# Altium PCB OCB Development Board.PcbDoc (part 1 of 2)
Units mil, origin at the board's own origin, x right, y up, seen from the top; angles counter-clockwise.
Board outline 3775 x 3550 mil, 4 copper layers (Top Layer, GND, Power, Bottom Layer), stack 23.712 mil thick; 152 components, 139 nets, 797 pads, 557 vias.
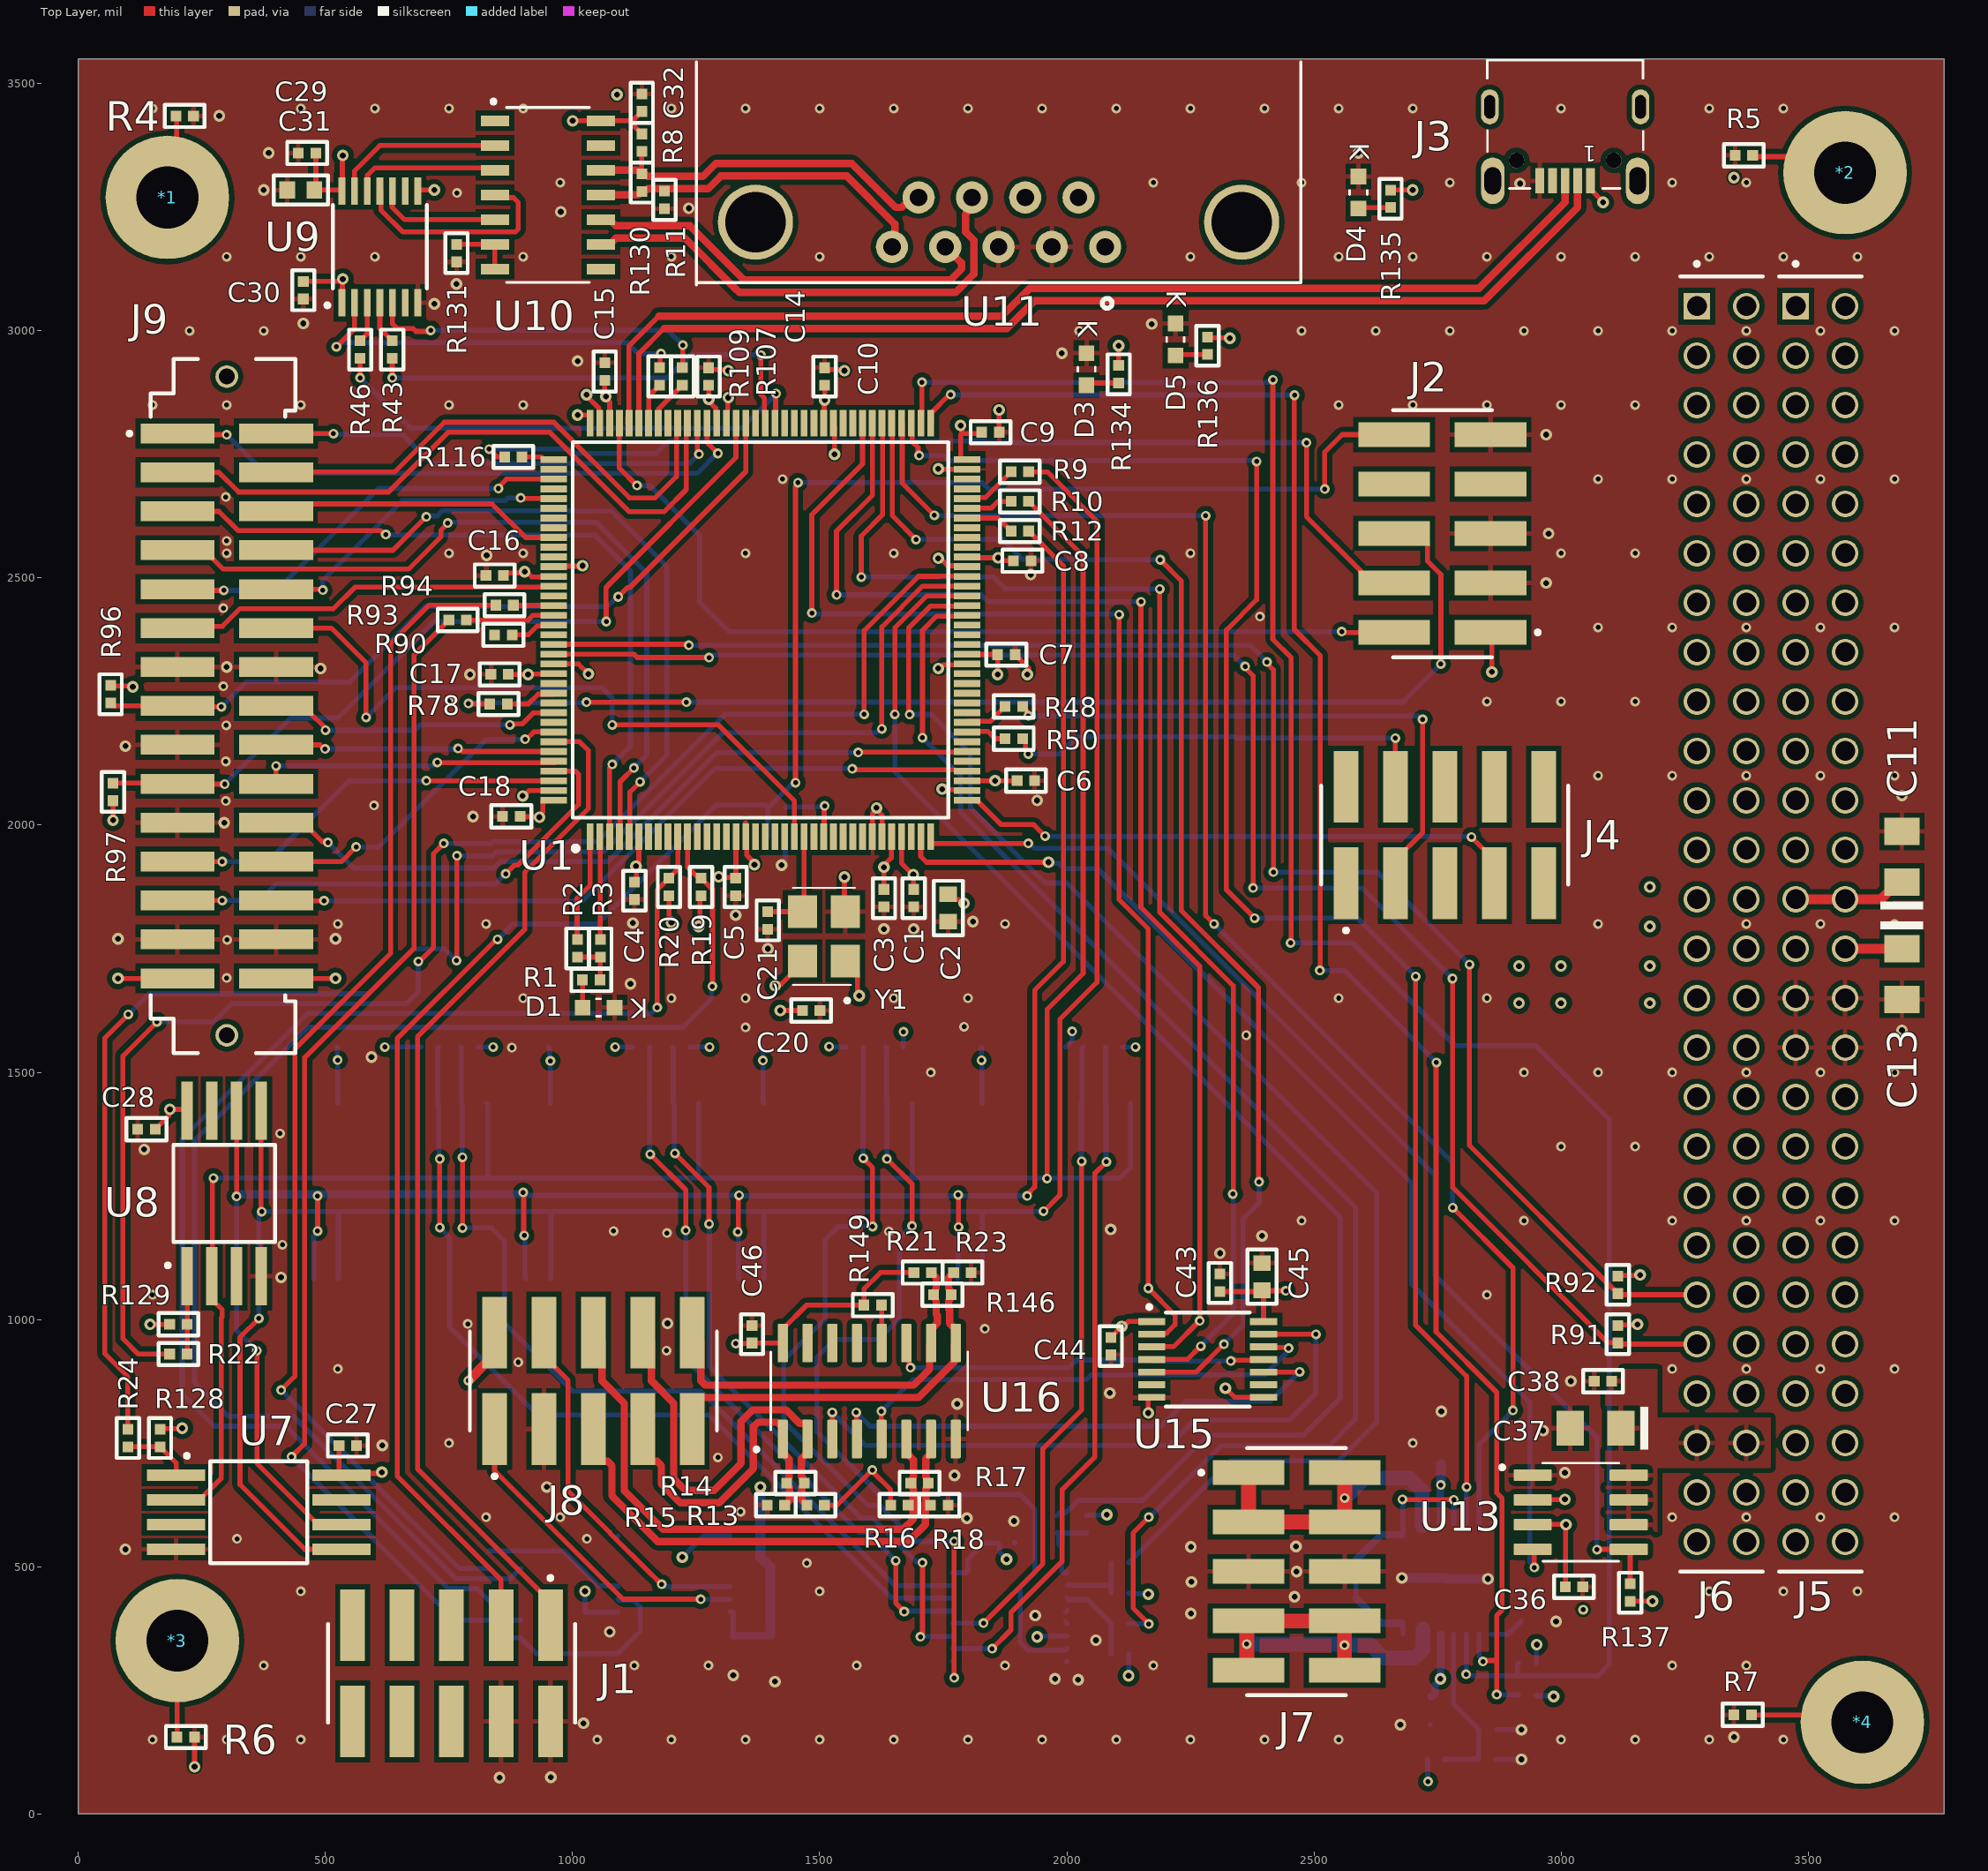
[diagram p0: Top Layer view]
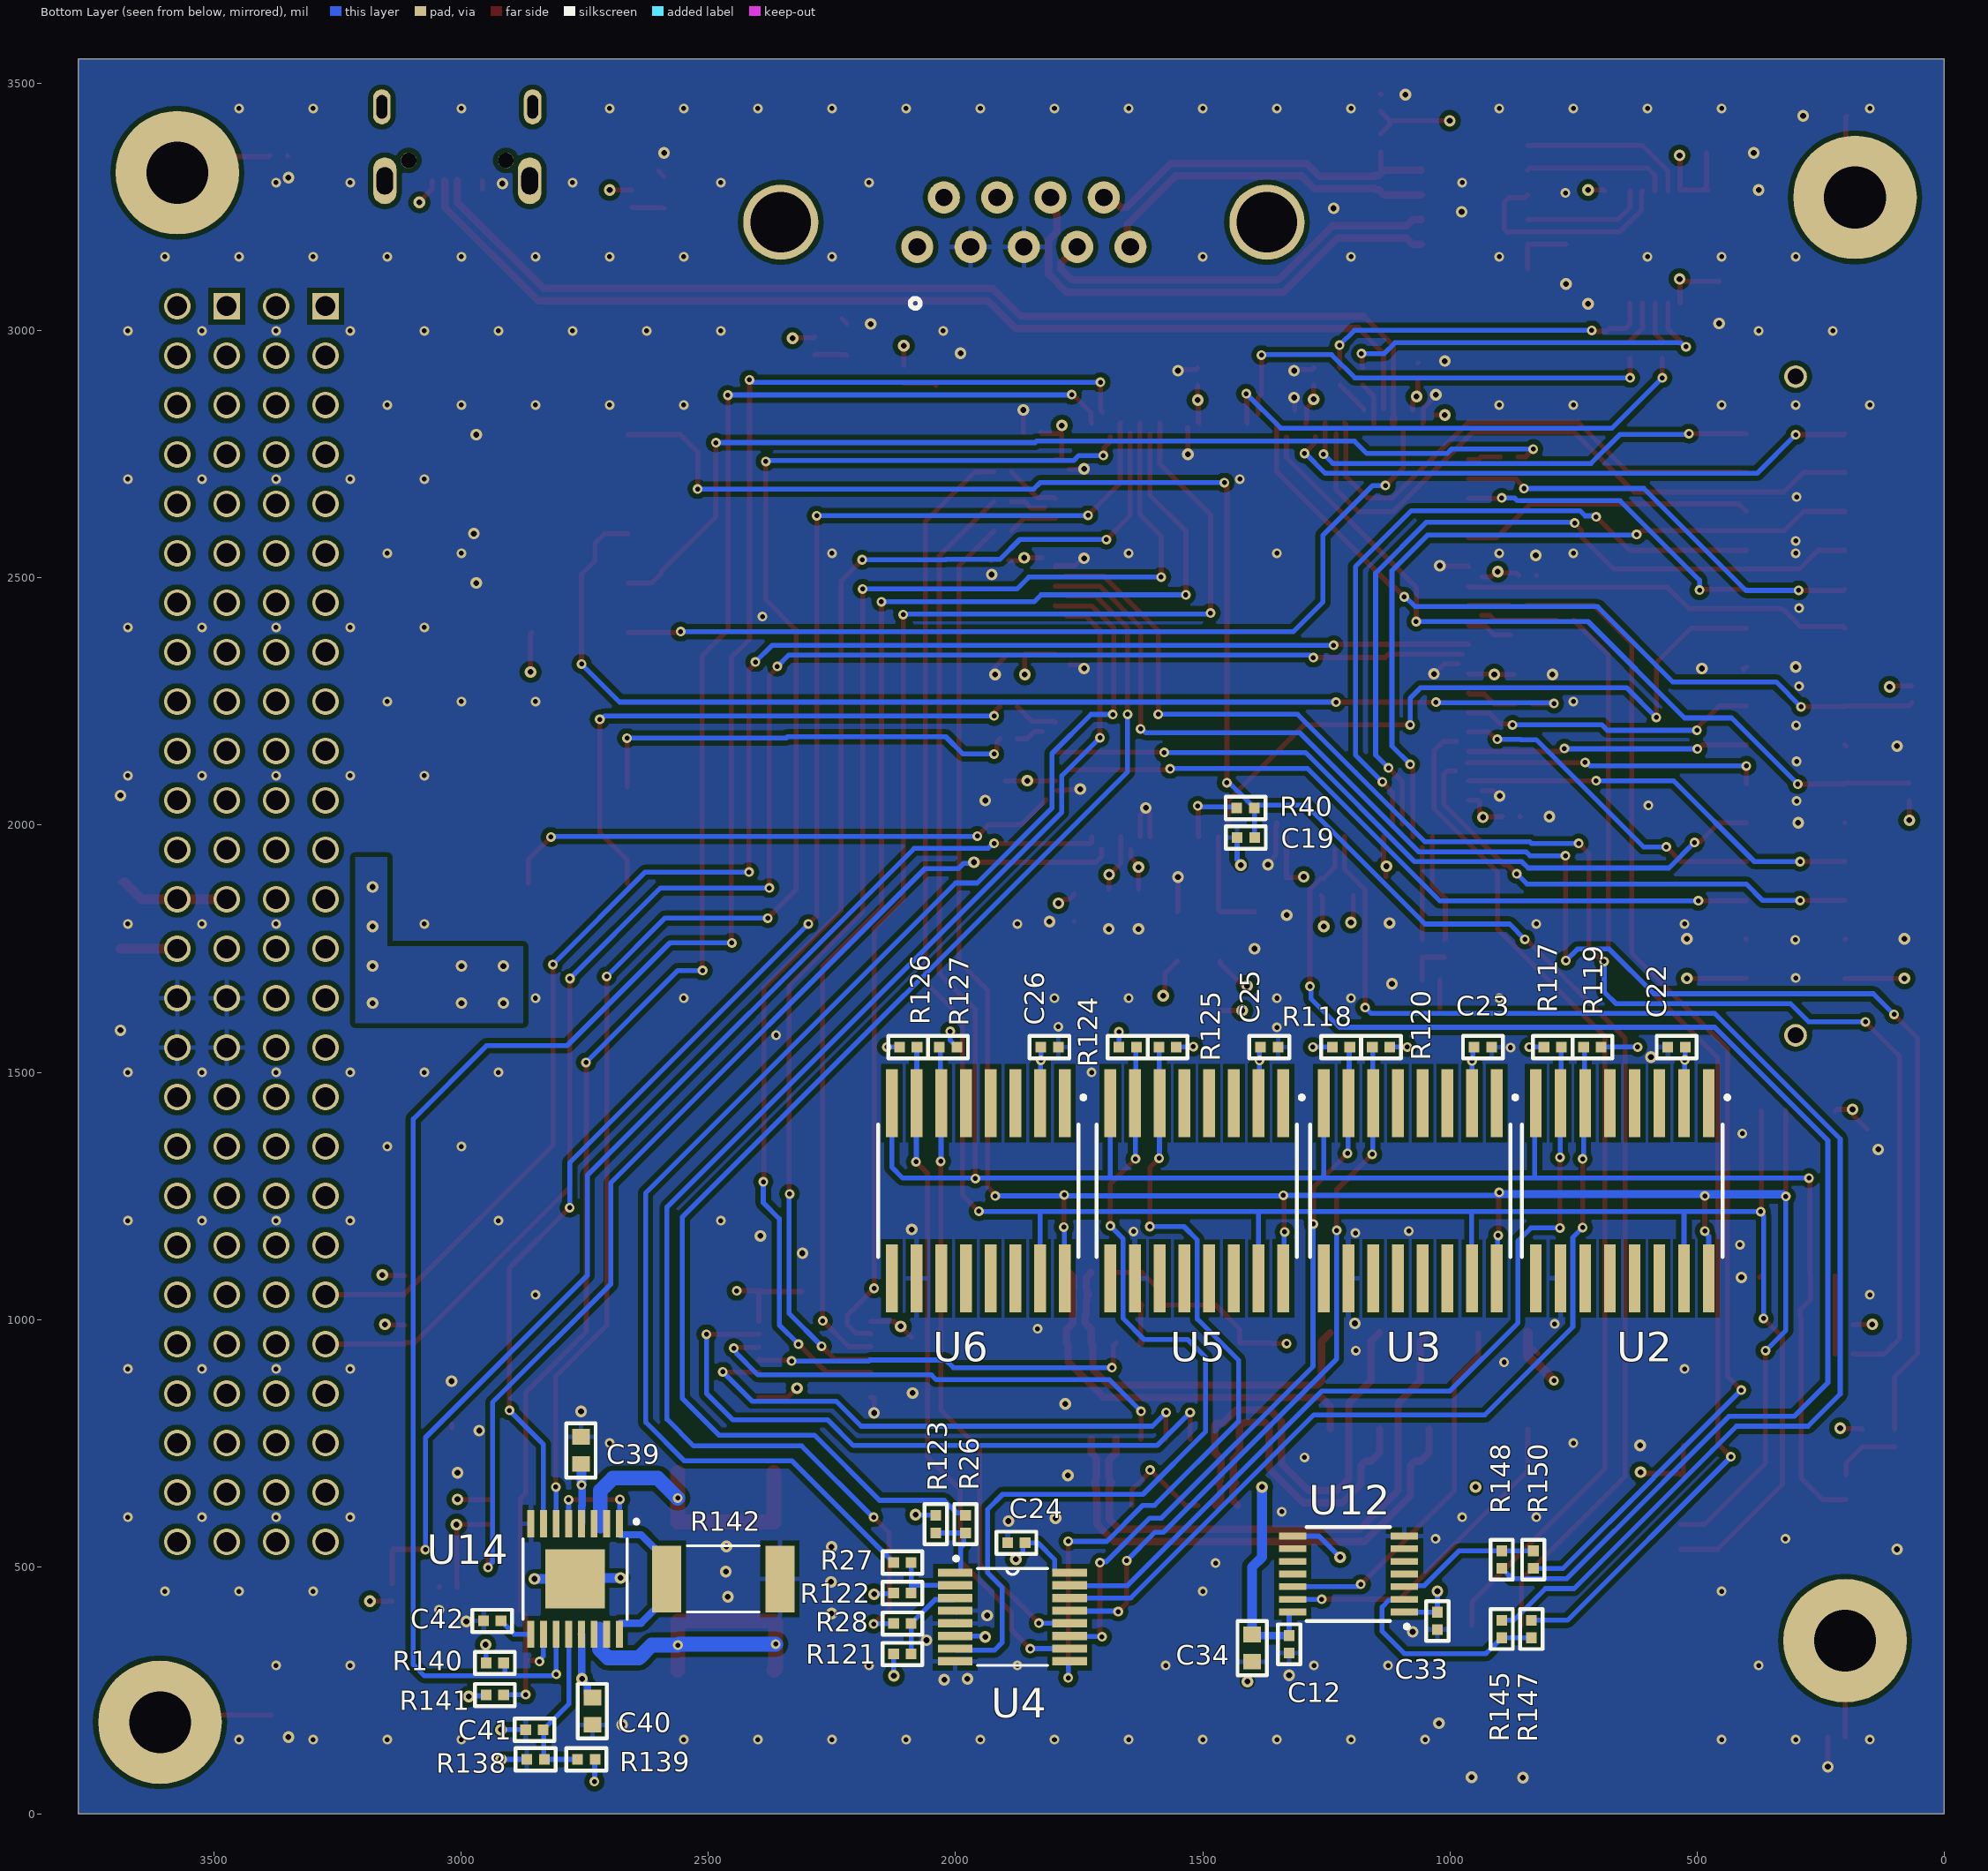
[diagram p1: Bottom Layer view, seen from below]
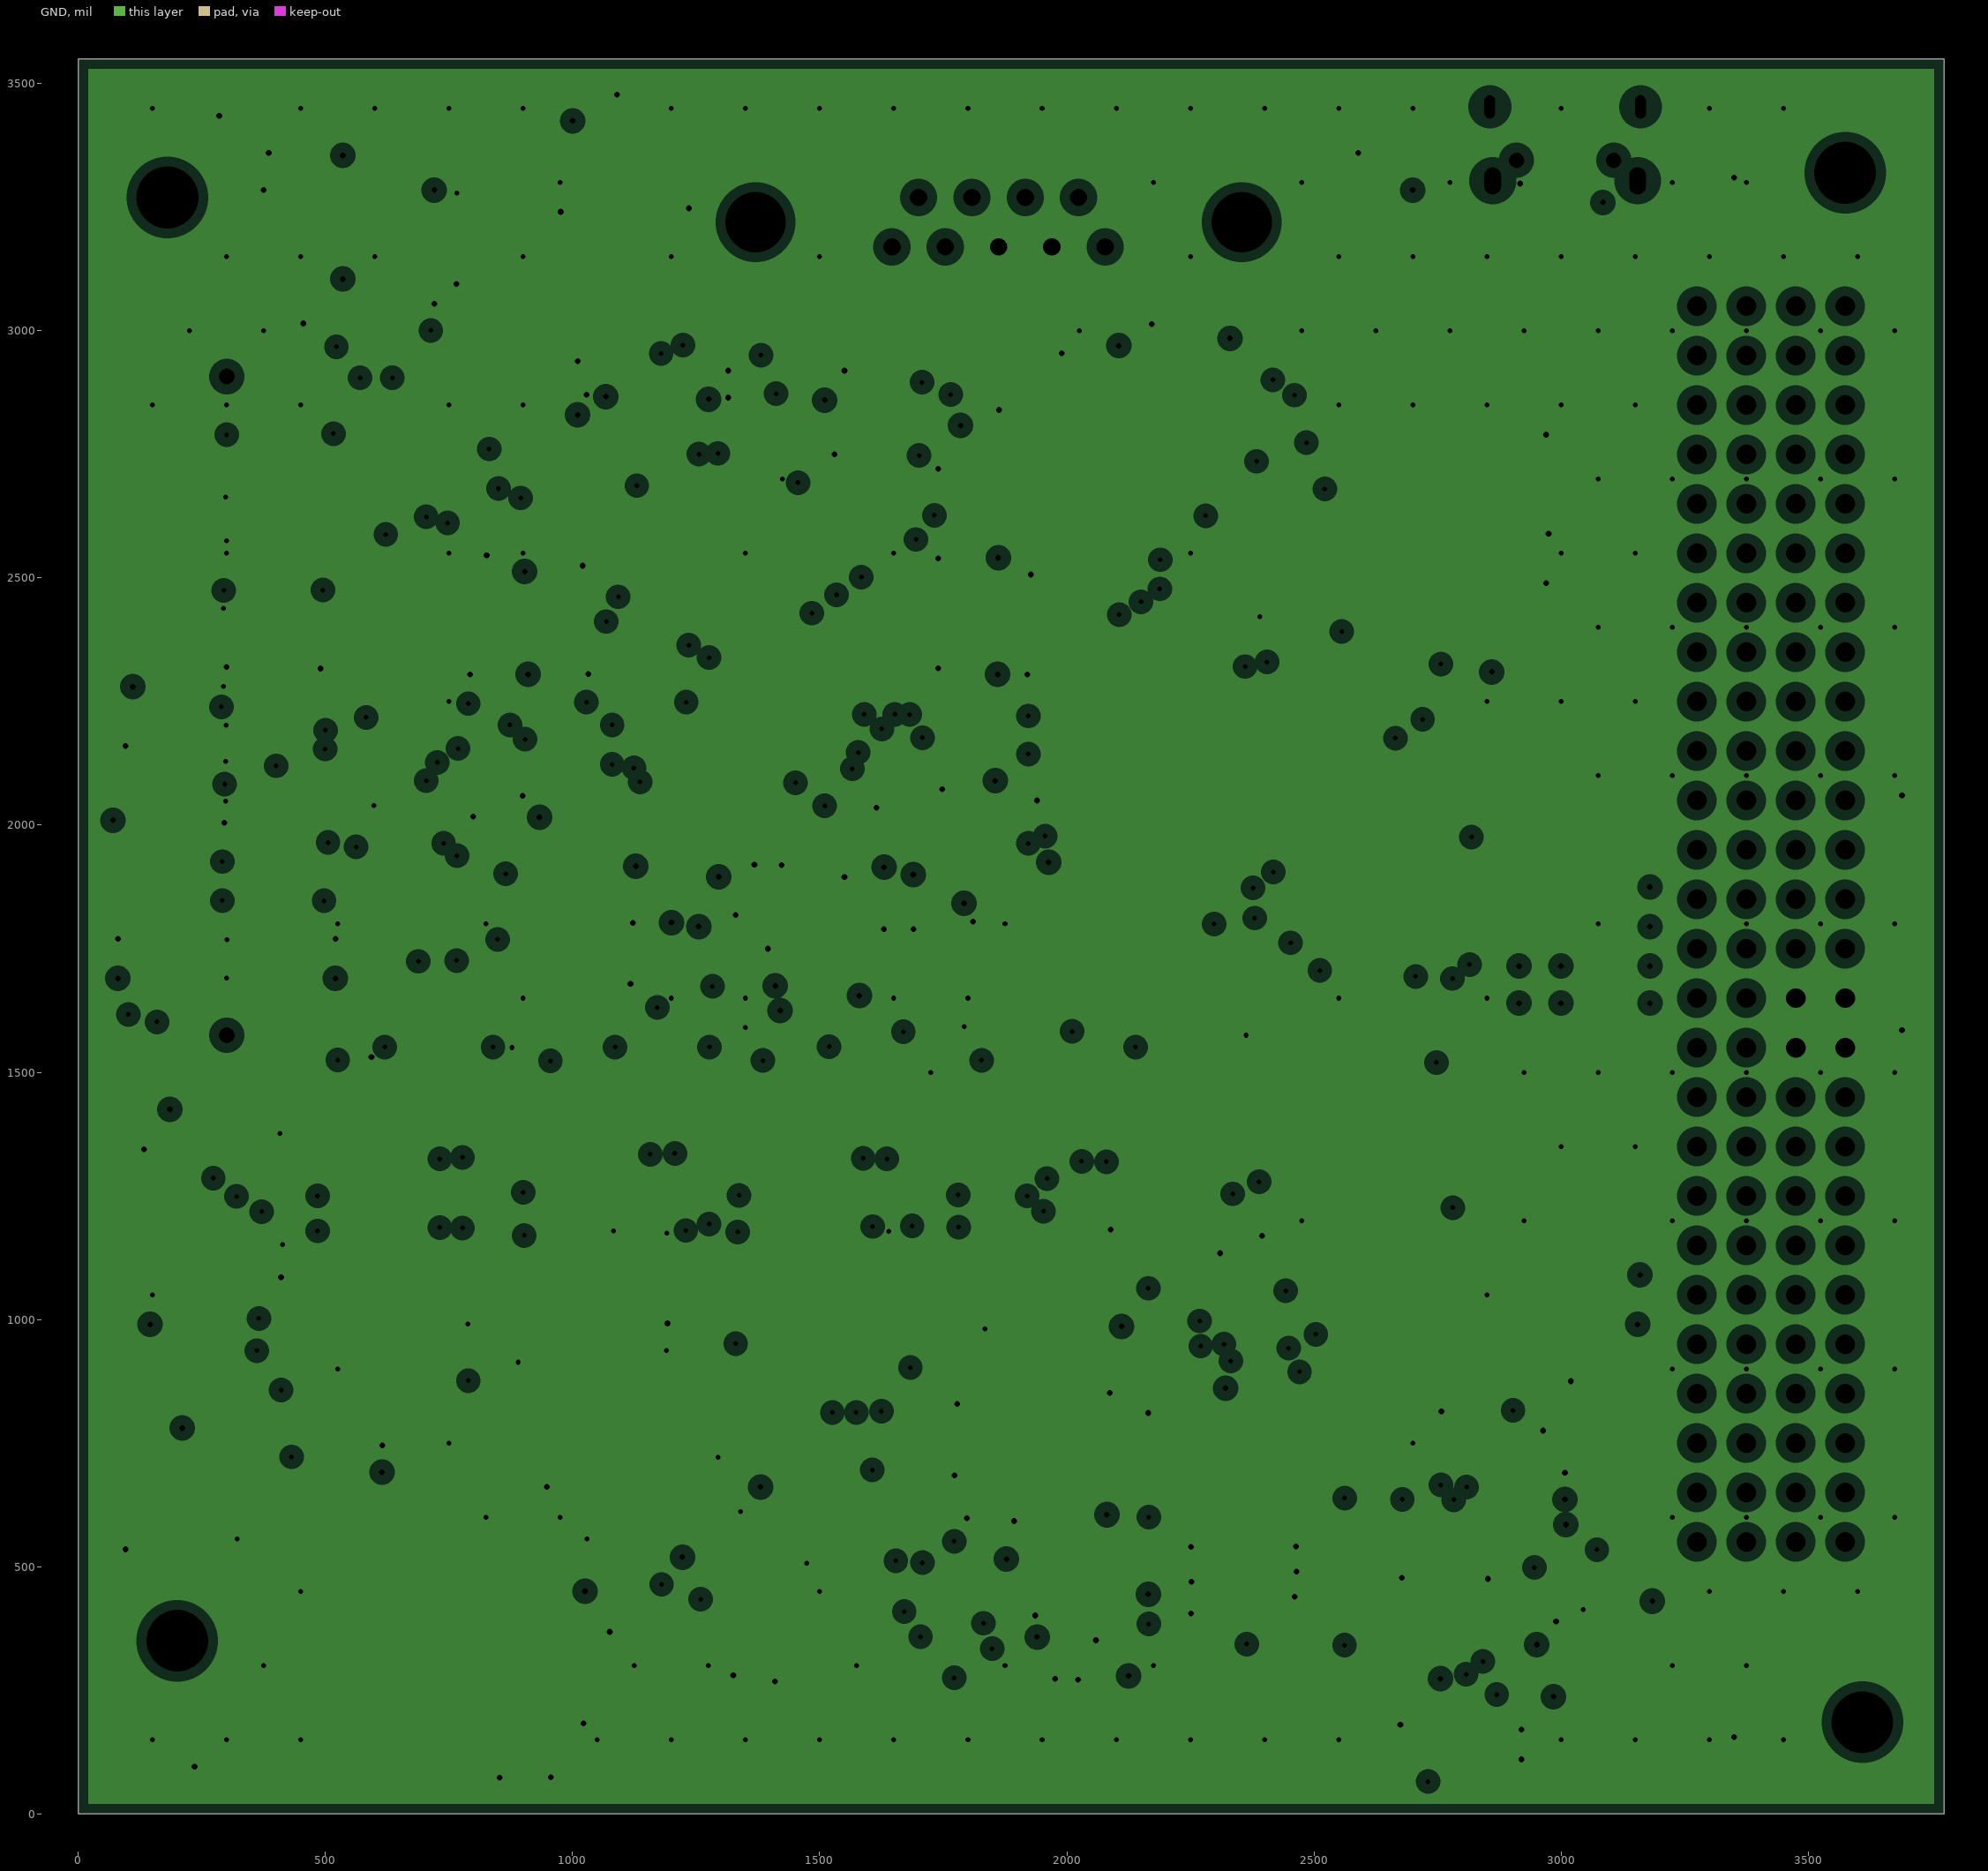
[diagram p2: GND, clearances drawn from the general rule]
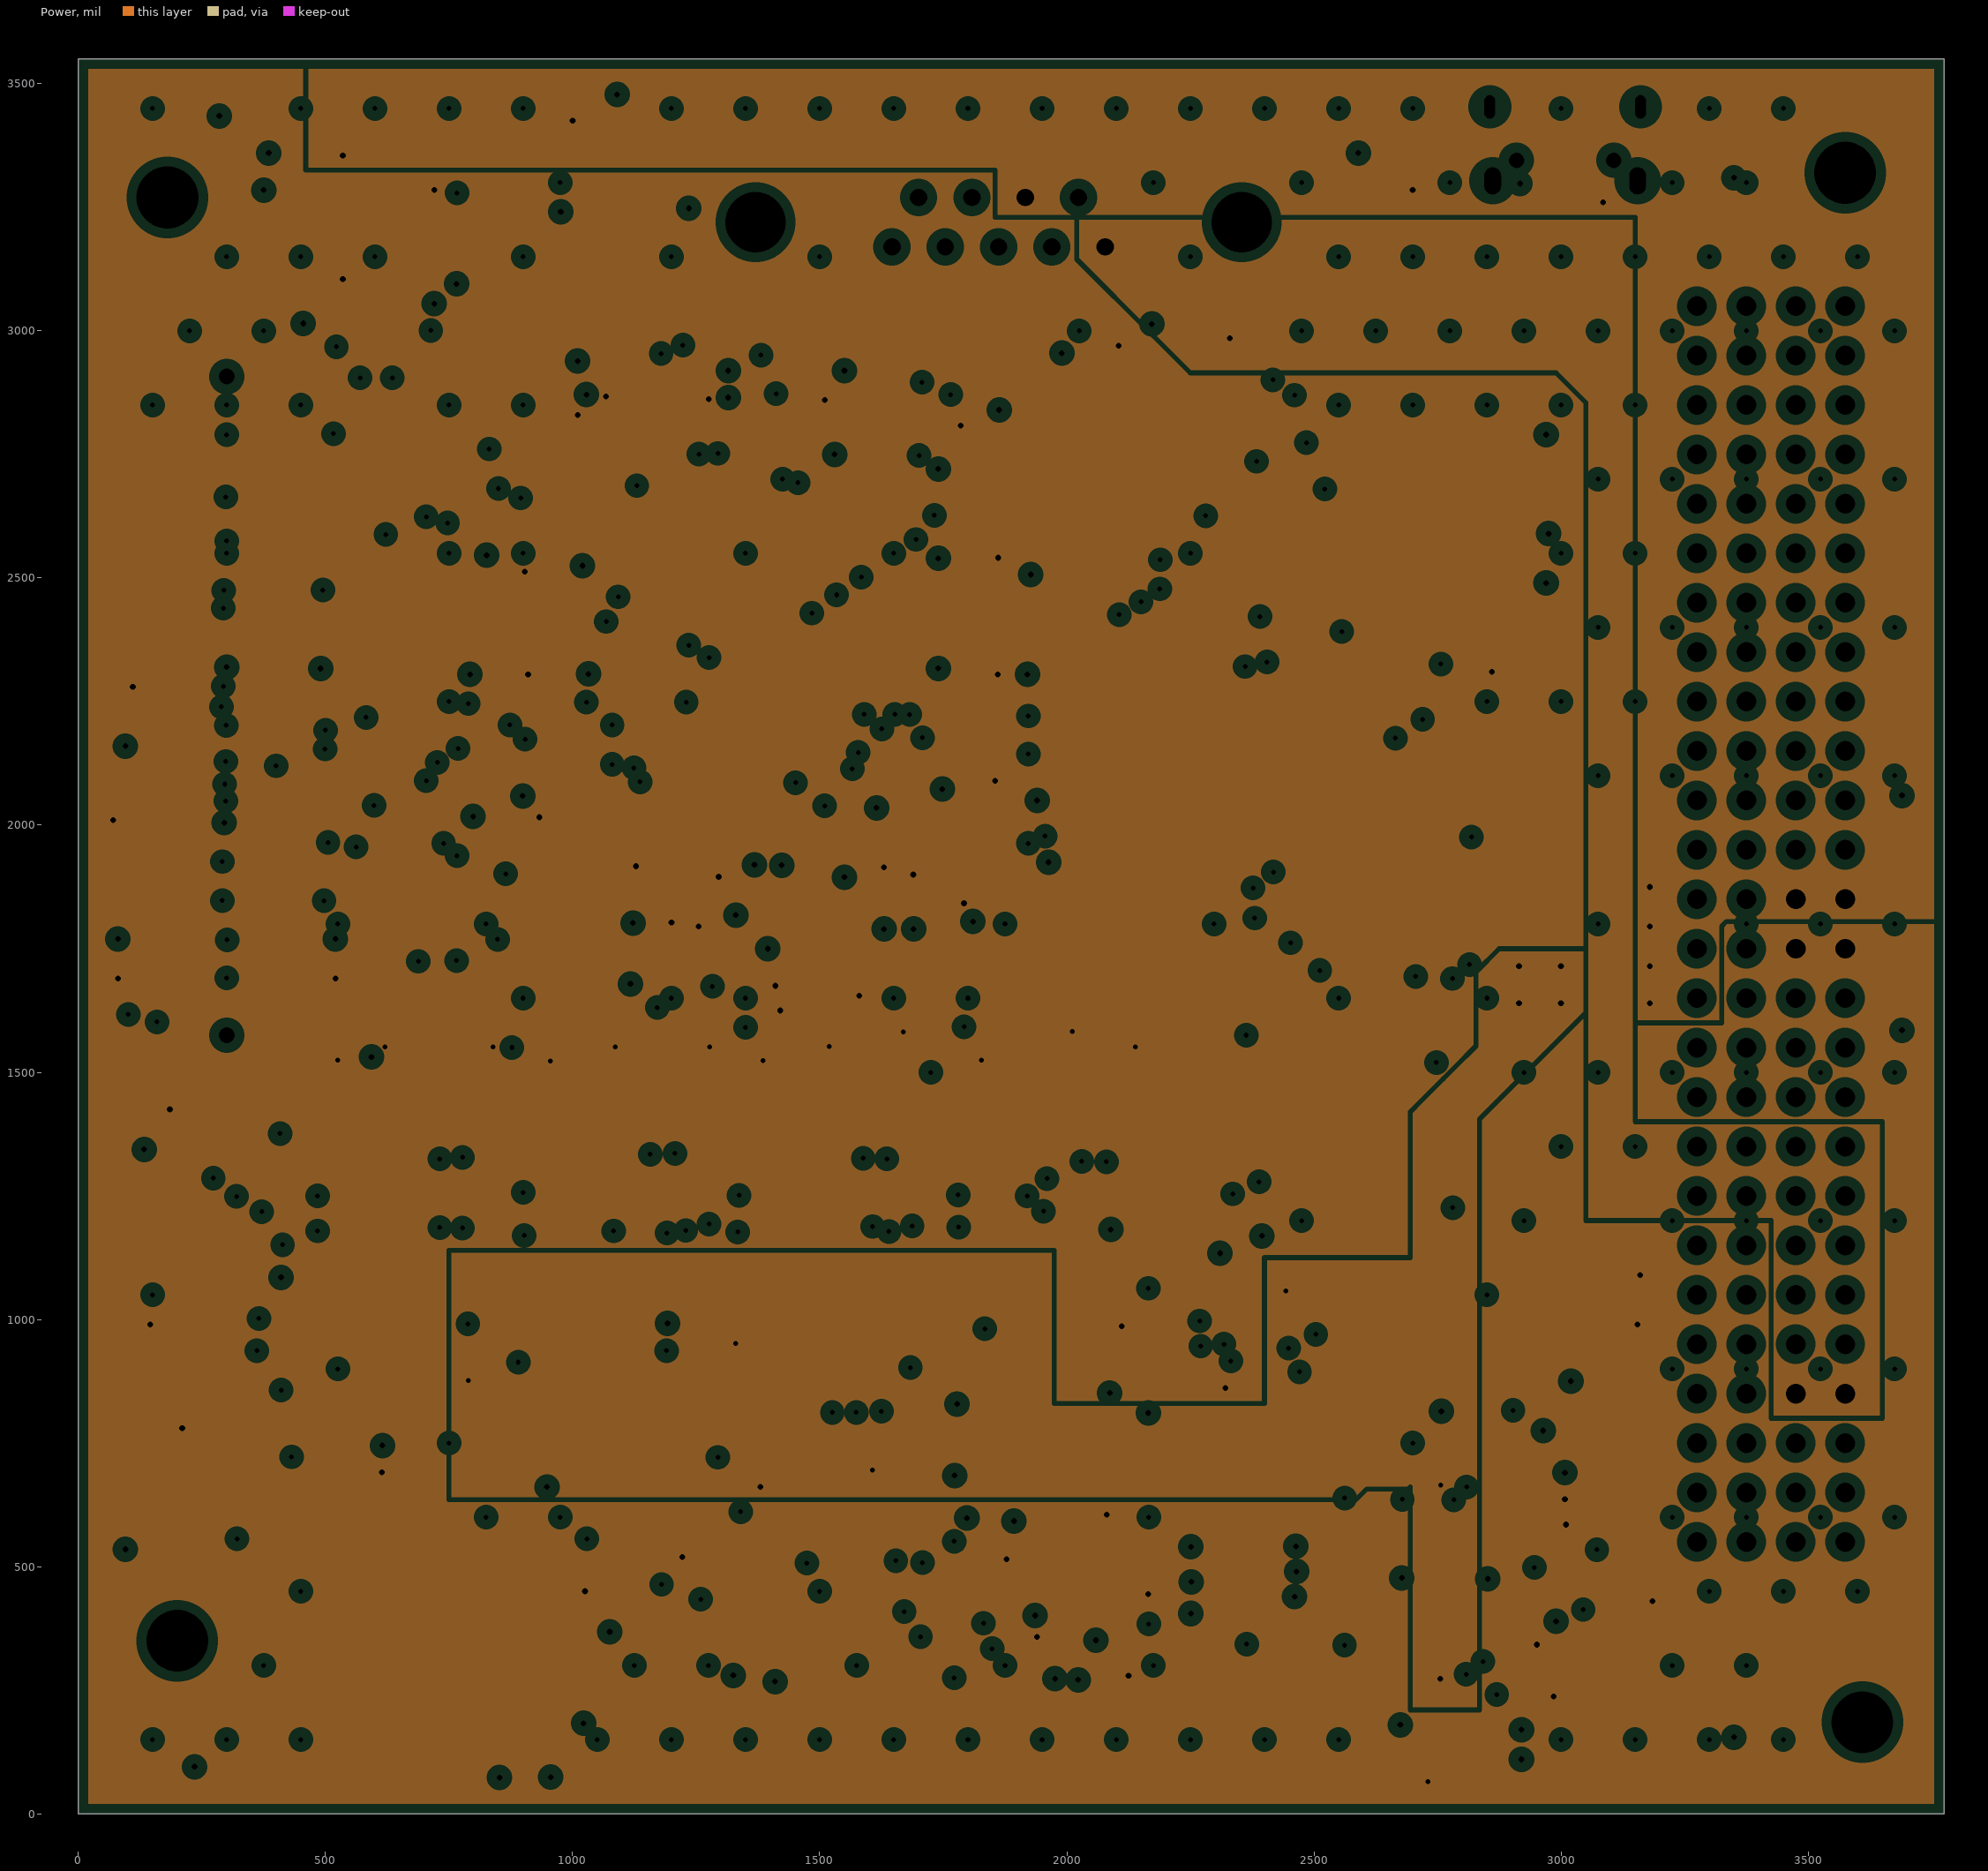
[diagram p3: Power, clearances drawn from the general rule]

## Layer stack, top to bottom
Top Solder: solder mask 0.4, Solder Resist, Dk 3.5
Top Layer: signal copper 1.378
Dielectric 2: prepreg 2.8, PP-006, Dk 4.1
GND: plane copper 1.378, net GND
Dielectric 1: dielectric 12.6, FR-4, Dk 4.1
Power: plane copper 1.378, net (Multiple Nets)
Dielectric 3: prepreg 2.8, PP-006, Dk 4.1
Bottom Layer: signal copper 1.378
Bottom Solder: solder mask 0.4, Solder Resist, Dk 3.5

## Board outline
0,0 0,3550 3775,3550 3775,0

## Design rules (kind name [scope] priority, off if disabled: settings)
Clearance [All] p1: gap=10 ignorepadtopadclearanceinfootprint=FALSE except(0: Arc-Hole Track-Hole SMDPad-Hole THPad-Hole Via-Hole Fill-Hole Poly-Hole Region-Hole Text-Hole; 5: Arc-SMDPad Track-SMDPad SMDPad-SMDPad; 7.87: Arc-Text Track-Text SMDPad-Text THPad-Text Via-Text Fill-Text Poly-Text Region-Text Text-Text)
DiffPairsRouting [All] p1: maxlimit=10 minlimit=10 mostfreqgap=10 toplayer_minwidth=15 toplayer_maxwidth=15 toplayer_prefwidth=15 bottomlayer_minwidth=15 bottomlayer_maxwidth=15 bottomlayer_prefwidth=15 maxuncoupledlength=500
HoleSize [All] p1: absolutevalues=TRUE maxlimit=248.03 minlimit=0.98 maxpercent=80.000 minpercent=20.000
MinimumSolderMaskSliver [All] p1: minsoldermaskwidth=1.5
PlaneClearance [All] p1: clearance=20
PlaneConnect [All] p1: pad.planeconnectstyle=Relief pad.reliefexpansion=20 pad.reliefentries=4 pad.reliefconductorwidth=10 pad.reliefairgap=10 via.planeconnectstyle=Direct via.reliefexpansion=20 via.reliefentries=4 via.reliefconductorwidth=10 via.reliefairgap=10
PolygonConnect [All] p1: thpad.connectstyle=Relief thpad.reliefconductorwidth=10 thpad.reliefentries=4 thpad.polygonreliefangle="90 Angle" thpad.airgapwidth=10 smdpad.connectstyle=Relief smdpad.reliefconductorwidth=10 smdpad.reliefentries=4 smdpad.polygonreliefangle="90 Angle" smdpad.airgapwidth=10 via.connectstyle=Direct via.reliefconductorwidth=10 via.reliefentries=4 via.polygonreliefangle="90 Angle" via.airgapwidth=10
RoutingVias [All] p1: holewidth=9.84 width=19.68 viastyle="Through Hole" minholewidth=7.87 minwidth=15.75 maxholewidth=15.75 maxwidth=39.37
SilkToSilkClearance [All] p1: silktosilkclearance=0
SilkToSolderMaskClearance [IsPad] p1: minsilkscreentomaskgap=5.91 clearancetoexposedcopper=TRUE
SolderMaskExpansion SolderMaskExpansion_PAD [InPadClass('All Pads')] p1: expansion=2 istentingtop=FALSE
SolderMaskExpansion SolderMaskExpansion_VIA [IsVia] p2: expansion=4 istentingtop=TRUE
SolderMaskExpansion [All] p3: expansion=4 istentingtop=FALSE
Width [All] p1: maxlimit=50 minlimit=10 preferedwidth=10
23 further rules are at their usual default settings.

## Classes and differential pairs
net class DCMI_D[0..11]: DCMI_D0 DCMI_D1 DCMI_D2 DCMI_D3 DCMI_D4 DCMI_D5 DCMI_D6 DCMI_D7 DCMI_D8 DCMI_D9 DCMI_D10 DCMI_D11
component class STM32: C1 C2 C3 C4 C5 C6 C7 C8 C9 C10 C13 C14 C15 C16 C17 C18 C19 C20 C21 D1 J1 J2 R1 R2 R3 R9 R10 R12 R19 R20 R22 R24 R26 R27 R28 R40 R43 R46 R48 R50 R78 R90 R91 R92 R93 R94 R96 R97 R107 R109 R116 U1 Y1
component class "Motor Control": C12 C33 C34 C39 C40 C41 C42 C43 C44 C45 C46 J7 J8 R13 R14 R15 R16 R17 R18 R21 R23 R138 R139 R140 R141 R142 R145 R146 R147 R148 R149 R150 U12 U14 U15 U16
component class Memory: C22 C23 C24 C25 C26 C27 C28 R117 R118 R119 R120 R121 R122 R123 R124 R125 R126 R127 R128 R129 U2 U3 U4 U5 U6 U7 U8
component class "External Connectors": *1 *2 *3 *4 C11 C29 C30 C31 C32 C36 C37 C38 D3 D4 D5 J3 J4 J5 J6 R4 R5 R6 R7 R8 R11 R130 R131 R134 R135 R136 R137 U9 U10 U11 U13
component class Camera: J9
differential pair USB: +USB_P -USB_N
differential pair MPI_TX: +MPI_TX_P -MPI_TX_N
differential pair MPI_RX: +MPI_RX_P -MPI_RX_N
differential pair ENCODER_I: +ENCODER_I_P -ENCODER_I_N
differential pair ENCODER_B: +ENCODER_A_P -ENCODER_A_N
differential pair ENCODER_A: +ENCODER_B_P -ENCODER_B_N
